# Altium PCB SVEC.pcbdoc (part 4 of 18)
Units mil, origin at the board's own origin, x right, y up, seen from the top; angles counter-clockwise.
Board outline 6349.25 x 9237.04 mil, 10 copper layers (Top Layer, L2 GND, L3, L4 PWR3.3, L5, L6, L7 GND, L8, L9 PWR, Bottom Layer), stack 58.268 mil thick; 906 components, 904 nets, 4753 pads, 3116 vias.
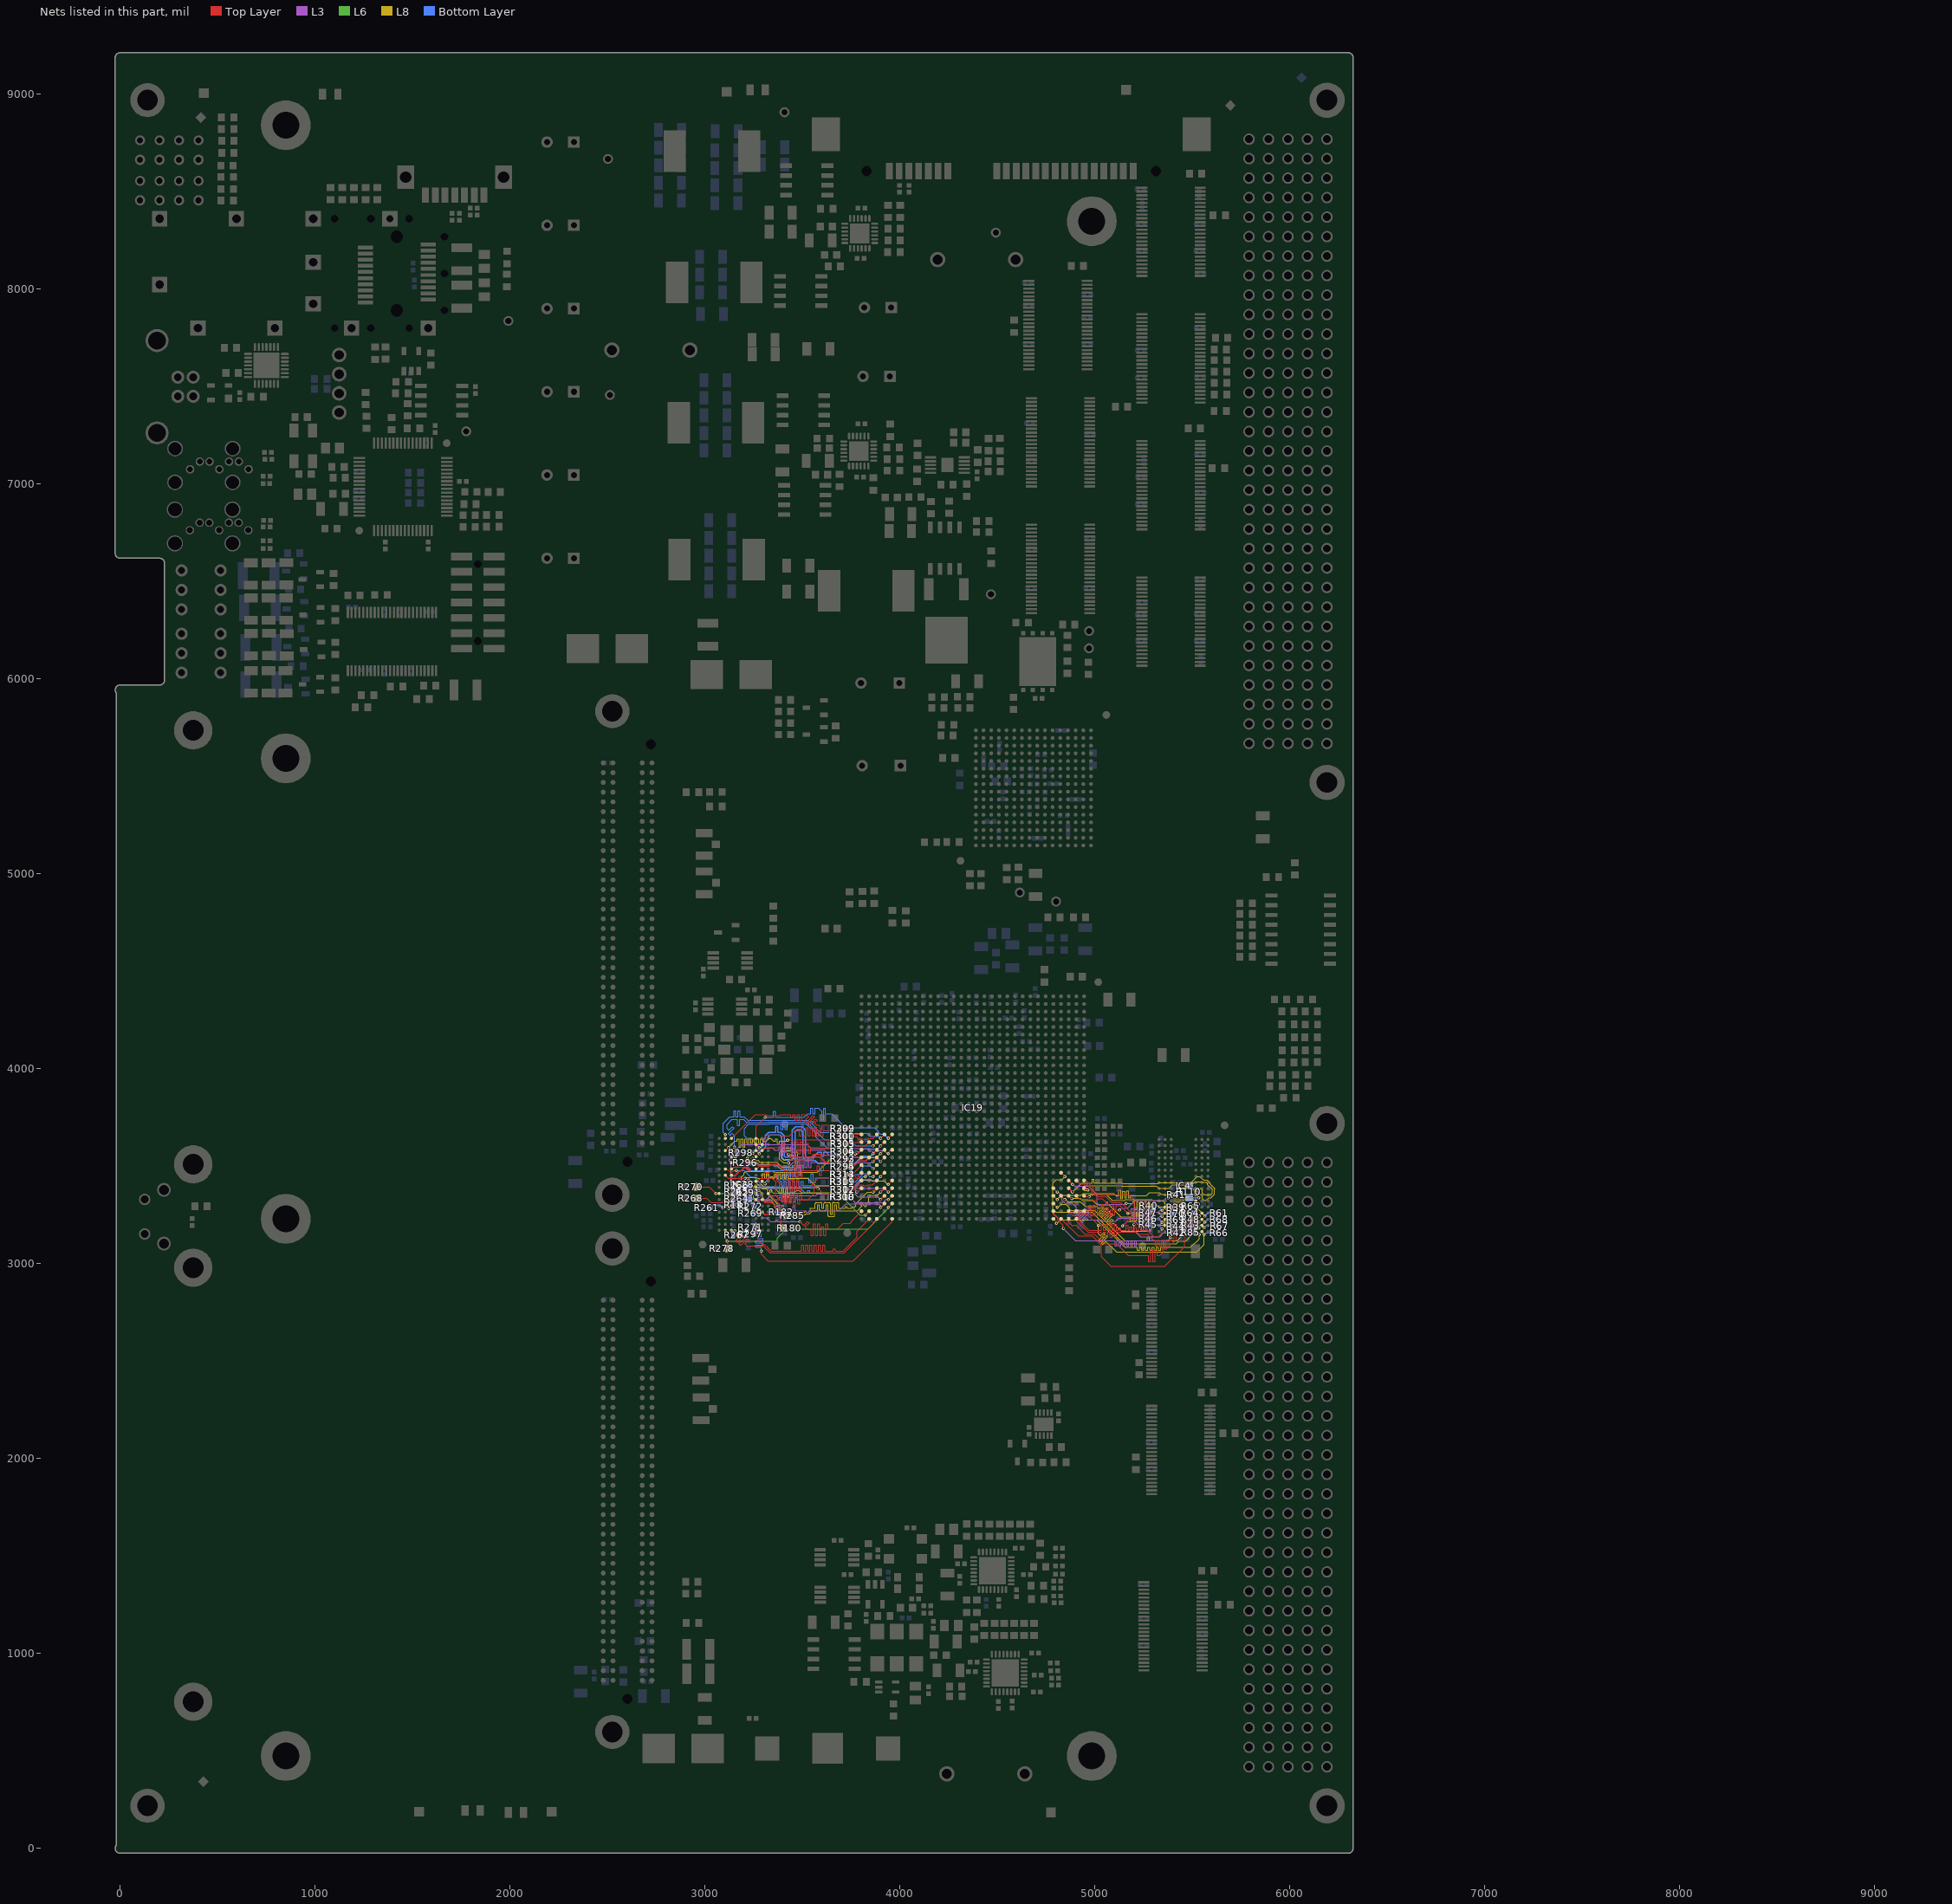
[diagram p12: the nets of this part, all layers, seen from the top]

## Via types
v1: diameter 15.75, hole 7.87, Top Layer to Bottom Layer, tented both sides, 2844 vias
v2: diameter 31.5, hole 15.75, Top Layer to Bottom Layer, tented both sides, 224 vias
v3: diameter 19.68, hole 7.87, Top Layer to Bottom Layer, tented both sides, 31 vias
v4: diameter 15.75, hole 7.87, Top Layer to Bottom Layer, 17 vias

## Nets (pads, with @x,y where several pads share a name; then routed paths per layer and width w, separated by ;. In a path a pad name is that pad's centre, name@x,y a point inside that pad or via, vN(x,y) a via of type N, cw(c..) or ccw(c..) an arc to the next point about the centre after c; other vN are vias at no path point) (continued)
DDR_2_A10: IC19.F26 IC28.L7 R272.1 | length 1127.3
  Top Layer w5: v1(3940.48,3406.81) IC19.F26@3960.17,3426.49
  Top Layer w6: IC28.L7@3261.55,3327.77 3262.29,3327.77 v1@3275.55,3314.51
  L8 w4: v1(3275.55,3312.51) 3249.55,3338.51 3249.55,3393.51 3260.55,3404.51 3290.55,3404.51 3301.74,3393.32 3350.74,3393.32 3380.55,3363.51 3392.55,3363.51 3392.55,3393.51 3402.55,3393.51 3402.55,3344.5 3412.55,3344.5 3412.55,3393.51 3422.55,3393.51 3422.55,3344.5 3432.55,3344.5 3432.55,3363.51 3457.43,3363.51 3470.3,3376.38 3481.8,3376.38 3494.67,3363.51 3734.55,3363.51 3795.55,3424.51 3796.55,3424.51 3803.55,3431.51 3850.55,3431.51 3857.55,3424.51 3917.55,3424.51 3935.26,3406.8 v1(3940.48,3406.81)
  Bottom Layer w6: R272.1@3253.41,3291.36 v1@3275.05,3313.01
DDR_2_A11: IC19.A26 IC28.R7 R271.1 | length 1158.6
  Top Layer w5: v1(3288.55,3064.51) 3288.55,3048.62 3323.04,3014.13 3759.34,3014.13 3960.17,3214.96 IC19.A26@3960.17,3229.64
  Top Layer w6: IC28.R7@3261.55,3201.78 v1(3274.55,3188.77)
  Bottom Layer w5: v1@3272.29,3186.51 3288.93,3169.86 3288.93,3140.01 3271.98,3140.01 3271.98,3129.01 3298.93,3129.01 3298.93,3118.01 3260.33,3118.01 3260.33,3107.01 3298.93,3107.01 3298.93,3096.01 3260.33,3096.01 3260.33,3085.01 3288.93,3085.01 3288.93,3064.88 v1(3288.55,3064.51)
  Bottom Layer w6: R271.1@3252.27,3186.51 3272.29,3186.51 v1(3274.55,3188.77)
DDR_2_A12: IC19.B30 IC28.N7 R269.1 | length 1166
  Top Layer w5: v1@3488.55,3215.51 v1(3487.55,3214.51) 3506.44,3195.62 3527.16,3216.33 3534.94,3208.56 3514.22,3187.84 3527.55,3174.51 3544.05,3174.51 3544.05,3145.21 3555.05,3145.21 3555.05,3203.81 3566.05,3203.81 3566.05,3145.21 3577.05,3145.21 3577.05,3203.81 3588.05,3203.81 3588.05,3145.21 3599.05,3145.21 3599.05,3189.43 3610.05,3189.43 3610.05,3145.21 3621.05,3145.21 3621.05,3203.81 3632.05,3203.81 3632.05,3174.51 3677.13,3174.51 3709.23,3206.6 3743.65,3206.6 3750.87,3213.82 3750.87,3217.19 IC19.B30@3802.69,3269.01
  Top Layer w6: IC28.N7@3261.55,3264.77 3263.29,3264.77 v1@3273.55,3254.51
  L3 w4: v1@3273.55,3254.51 v1(3277.55,3250.51) 3281.44,3250.51 3296.06,3235.88 3313.92,3235.88 3335.3,3214.51 3361.55,3214.51 3361.55,3222.51 3371.55,3222.51 3371.55,3214.51 v1(3487.55,3214.51)
  Bottom Layer w6: R269.1@3247.27,3250.51 3251.27,3250.51 v1(3277.55,3250.51)
DDR_2_A13: IC19.A28 IC28.T3 R267.1 | length 1150
  Top Layer w5: IC28.T3@3136.3,3171.02 IC28.T3@3135.56,3170.29 3152.92,3170.29 3153.55,3169.65 v1(3153.55,3168.51) ; v1@3158.04,3165.16 3158.04,3147.81 3165.84,3140.01 3185.09,3159.26 3192.87,3151.48 3158.8,3117.42 3166.58,3109.64 3200.64,3143.71 3208.42,3135.93 3174.36,3101.86 3182.13,3094.08 3216.2,3128.15 3223.98,3120.37 3204.73,3101.12 3215.97,3089.88 3299.06,3089.88 3313.93,3075.02 3313.93,3074.5 3333.11,3055.32 3712.93,3055.32 3861.74,3204.13 3861.74,3209.95 IC19.A28@3881.43,3229.64
  Top Layer w6: IC28.T3@3135.56,3169.05 IC28.T3@3135.56,3170.29
  Bottom Layer w5: R267.1@3145.84,3145.51 3145.84,3160.79 v1(3153.55,3168.51)
DDR_2_A14: IC19.A29 IC28.T7 R297.1 | length 1140
  Top Layer w5: v1(3273.55,3159.51) 3273.55,3120.51 3294.18,3099.88 3303.21,3099.88 3323.93,3079.16 3323.93,3078.64 3337.25,3065.32 3495.05,3065.32 3495.05,3095.32 3506.05,3095.32 3506.05,3065.32 3517.05,3065.32 3517.05,3095.32 3528.05,3095.32 3528.05,3065.32 3539.05,3065.32 3539.05,3095.32 3550.05,3095.32 3550.05,3065.32 3561.05,3065.32 3561.05,3095.32 3572.05,3095.32 3572.05,3065.32 3583.05,3065.32 3583.05,3095.32 3594.05,3095.32 3594.05,3065.32 3605.05,3065.32 3605.05,3095.32 3616.05,3095.32 3616.05,3065.32 3659.05,3065.32 3659.05,3076.12 3670.05,3076.12 3670.05,3065.32 3708.79,3065.32 3779.65,3136.18 3779.65,3167.23 IC19.A29@3842.06,3229.64
  Top Layer w6: IC28.T7@3261.55,3170.29 3262.77,3170.29 v1(3273.55,3159.51)
  Bottom Layer w6: R297.1@3252.27,3150.51 3256.55,3150.51 3265.55,3159.51 v1(3273.55,3159.51)
DDR_2_BA0: IC19.D27 IC28.M2 R261.1 | length 1171.2
  Top Layer w4: v1(3901.11,3328.07) IC19.D27@3920.8,3347.75
  Top Layer w6: v1(3091.55,3285.51) 3102.32,3296.27 IC28.M2@3104.07,3296.27 ; 3907.55,3335.51 3919.8,3347.75 IC19.D27@3920.8,3347.75
  L3 w4: v1(3091.55,3285.51) 3104.18,3298.13 3134.18,3298.13 3194.93,3358.88 3211.55,3358.88 3211.55,3382.72 3221.55,3382.72 3221.55,3329.54 3231.55,3329.54 3231.55,3382.72 3241.55,3382.72 3241.55,3358.88 3280.8,3358.88 3294.81,3344.87 3294.81,3340.03 3305.2,3329.64 3316.69,3329.64 3335.68,3348.63 3568.06,3348.63 3576.81,3357.38 3768.99,3357.38 3784.43,3341.94 3887.24,3341.94 v1(3901.11,3328.07)
  Bottom Layer w6: R261.1@3027.27,3286.51 3040.27,3299.51 3077.55,3299.51 v1(3091.55,3285.51)
DDR_2_BA1: IC19.C27 IC28.N8 R182.1 | length 1150.7
  Top Layer w6: IC28.N8@3293.04,3264.77 3293.29,3264.77 3306.55,3251.51 3306.93,3251.88 3316.4,3251.88 3318.38,3249.9 3339.95,3249.9 3345.55,3255.51 3345.55,3254.51 v1(3349.23,3258.25) v1(3349.23,3258.25) ; 3909.55,3292.51 3908.55,3292.51 3908.55,3296.14 IC19.C27@3920.8,3308.38
  L3 w4: v1@3345.55,3255.51 3345.55,3254.51 v1(3349.23,3258.25) ; v1(3349.23,3258.25) v1(3349.23,3258.25) ; v1@3905.74,3292.51 3905.33,3292.91 3891.86,3306.38 3874.06,3306.38 3873.87,3306.19 3765.32,3306.19 3765.13,3306.38 3721.68,3306.38 3687.18,3271.88 3602.19,3271.88 3600.19,3269.88 3536.68,3269.88 3531.43,3264.63 3519.94,3264.63 3514.69,3269.88 3461.55,3269.88 3461.55,3294.21 3451.55,3294.21 3451.55,3240.86 3441.55,3240.86 3441.55,3279.79 3431.55,3279.79 3431.55,3240.86 3421.55,3240.86 3421.55,3282.19 3411.55,3282.19 3411.55,3240.86 3401.55,3240.86 3401.55,3298.9 3391.55,3298.9 3391.55,3240.86 3381.55,3240.86 3381.55,3298.9 3371.55,3298.9 3371.55,3269.88 3360.93,3269.88 v1(3349.23,3258.25) ; v1(3349.23,3258.25) v1(3349.23,3258.25)
  Bottom Layer w6: v1(3349.23,3258.25) v1(3349.23,3258.25) ; R182.1@3373.84,3263.51 3354.55,3263.51 v1(3349.23,3258.25) ; v1(3349.23,3258.25) v1(3349.23,3258.25)
  other v1: 3901.11,3288.7
DDR_2_BA2: IC19.D26 IC28.M3 R181.1 | length 1137.2
  Top Layer w5: v1(3940.48,3328.07) IC19.D26@3960.17,3347.75
  Top Layer w6: v1(3121.55,3282.51) 3121.8,3282.51 IC28.M3@3135.56,3296.27
  L3 w4: v1(3121.55,3282.51) 3132.7,3282.51 3157.7,3307.51 3240.55,3307.51 3261.18,3328.13 3295.39,3328.13 3301.88,3321.64 3320,3321.64 3326.5,3328.13 3382.55,3328.13 3382.55,3340.63 3392.55,3340.63 3392.55,3318.38 3402.55,3318.38 3402.55,3340.63 3412.55,3340.63 3412.55,3318.38 3422.55,3318.38 3422.55,3340.63 3432.55,3340.63 3432.55,3318.38 3442.55,3318.38 3442.55,3340.63 3452.55,3340.63 3452.55,3318.38 3462.55,3318.38 3462.55,3340.63 3472.55,3340.63 3472.55,3328.13 3754.69,3328.13 3768.63,3314.19 3870.36,3314.19 3870.55,3314.38 3895.18,3314.38 3895.37,3314.19 3912.82,3314.19 3926.69,3328.06 v1(3940.48,3328.07)
  Bottom Layer w6: v1(3121.55,3282.51) 3125.55,3282.51 3143.55,3300.51 R181.1@3145.84,3300.51
DDR_2_CAS_N: IC19.K27 IC28.K3 R265.1 | length 1150
  Top Layer w5: v1(3901.11,3564.29) IC19.K27@3920.8,3583.97
  Top Layer w6: v1(3120.55,3345.51) 3134.31,3359.26 IC28.K3@3135.56,3359.26
  L8 w4: v1(3120.55,3345.51) 3150.09,3375.04 3130.77,3394.36 3137.84,3401.43 3176.48,3362.79 3183.55,3369.87 3144.91,3408.5 3151.98,3415.57 3171.3,3396.25 3187.55,3412.51 3187.55,3443.89 3191.27,3447.6 3191.34,3447.6 3199.46,3455.72 3199.46,3464.41 3208.43,3473.38 3348.3,3473.38 3352.17,3469.51 3576.55,3469.51 3656.93,3549.88 3672.51,3549.88 3677.88,3544.51 3881.33,3544.51 v1(3901.11,3564.29)
  Bottom Layer w6: v1(3120.55,3345.51) 3121.84,3345.51 R265.1@3145.84,3369.51
DDR_2_CK_N: IC19.E28 IC28.K7 R291.2 | length 1148.7
  Top Layer w6: IC28.K7@3261.55,3359.26 3261.55,3358.51 v1(3276.55,3343.51) ; 3869.55,3370.51 3881.43,3382.38 IC19.E28@3881.43,3387.12
  L8 w4: v1(3276.55,3343.51) 3258.18,3361.88 3258.18,3383.12 3268.94,3393.88 3284.16,3393.88 3294.24,3383.81 3294.81,3384.38 3302.11,3384.38 3303.04,3385.32 3314.54,3385.32 3322.66,3377.19 3322.66,3355.38 3371.05,3307 3371.05,3294.01 3402.43,3262.63 3508.68,3262.63 3515.31,3269.26 3519.94,3264.63 3531.43,3264.63 3539.56,3272.76 3539.56,3283.51 3565.55,3283.51 3565.55,3307.51 cw(c3571.55,3307.51) 3571.55,3313.51 3593.55,3313.51 cw(c3593.55,3307.51) 3599.55,3307.51 3599.55,3283.51 3609.55,3283.51 3609.55,3307.51 cw(c3615.55,3307.51) 3615.55,3313.51 3637.55,3313.51 cw(c3637.55,3307.51) 3643.55,3307.51 3643.55,3253.51 3653.55,3253.51 3653.55,3307.51 cw(c3659.55,3307.51) 3659.55,3313.51 3681.55,3313.51 cw(c3681.55,3307.51) 3687.55,3307.51 3687.55,3283.51 3719.55,3283.51 3719.55,3293.55 3729.55,3293.55 3729.55,3283.51 3750.59,3283.51 3761.2,3294.11 3766.86,3288.46 3773.93,3295.53 3768.27,3301.18 3834.52,3367.44 v1(3861.74,3367.44)
  Bottom Layer w6: R291.2@3221.55,3332.01 3265.06,3332.01 v1(3276.55,3343.51)
DDR_2_CK_P: IC19.E27 IC28.J7 R291.1 | length 1145.4
  Top Layer w6: IC28.J7@3261.55,3390.76 3261.55,3388.51 v1@3274.55,3375.51 ; v1(3901.11,3367.44) IC19.E27@3920.8,3387.12
  L8 w4: v1(3276.55,3375.51) 3286.68,3365.38 3286.68,3364.76 3294.81,3356.63 3295.43,3356.63 3295.57,3356.49 3295.57,3351.43 3295.71,3351.29 ; 3295.68,3351.25 3295.68,3339.76 3296.2,3339.24 3295.57,3338.6 3295.57,3337.15 3309.21,3323.51 3337.57,3323.51 3359.05,3302.03 3359.05,3289.04 3397.46,3250.63 3513.65,3250.63 3517.65,3254.63 3535.58,3254.63 3549.56,3268.62 3549.56,3271.51 3571.55,3271.51 ccw(c3571.55,3277.51) 3577.55,3277.51 3577.55,3301.51 3587.55,3301.51 3587.55,3277.51 ccw(c3593.55,3277.51) 3593.55,3271.51 3615.55,3271.51 ccw(c3615.55,3277.51) 3621.55,3277.51 3621.55,3301.51 3631.55,3301.51 3631.55,3247.51 ccw(c3637.55,3247.51) 3637.55,3241.51 3659.55,3241.51 ccw(c3659.55,3247.51) 3665.55,3247.51 3665.55,3301.51 3675.55,3301.51 3675.55,3277.51 ccw(c3681.55,3277.51) 3681.55,3271.51 3781.52,3271.51 3804.36,3294.34 3793.32,3305.39 3800.39,3312.46 3821.44,3291.4 3828.51,3298.48 3823.02,3303.97 3839.28,3320.23 3839.28,3341.64 3849.2,3351.56 3885.24,3351.56 v1(3901.11,3367.44)
  Bottom Layer w6: R291.1@3221.55,3395 3241.05,3375.51 v1(3276.55,3375.51)
DDR_2_CKE: IC19.B29 IC28.K9 R285.2 | length 754.9
  Top Layer w5: IC28.K9@3324.54,3359.26 v1(3337.78,3372.51) 3325.69,3360.41 3326.92,3360.41 3402.69,3284.64 3402.69,3261.88 R285.2@3418.06,3246.51 ; v1(3822.37,3249.33) IC19.B29@3842.06,3269.01
  L3 w4: v1(3337.78,3372.51) 3339.55,3374.28 v1@3339.55,3374.51
  L6 w4: v1(3337.78,3372.51) 3349.16,3361.13 3682.93,3361.13 3794.74,3249.32 v1(3822.37,3249.33)
DDR_2_CS_N: IC28.L2 R268.1 | length 160.1
  Top Layer w5: R268.1@2959.05,3335.51 3009.55,3335.51 3031.67,3313.39 3089.69,3313.39 IC28.L2@3104.07,3327.77
DDR_2_DQ0: IC19.H28 IC28.E3 R314.1 | length 1128.3
  Top Layer w5: IC28.E3@3135.56,3516.74 3149.79,3516.74 v1(3157.55,3524.51) ; v1(3861.74,3485.55) IC19.H28@3881.43,3505.23
  Bottom Layer w5: v1(3157.55,3524.51) 3169.53,3512.53 3169.53,3502.59 3173.92,3498.2 3211.01,3498.2 3231.7,3477.51 3406.05,3477.51 3406.05,3504.01 3417.05,3504.01 3417.05,3477.51 3428.05,3477.51 3428.05,3498.64 3439.05,3498.64 3439.05,3477.51 3450.05,3477.51 3450.05,3504.01 3461.05,3504.01 3461.05,3477.51 3472.05,3477.51 3472.05,3504.01 3483.05,3504.01 3483.05,3452.51 3494.05,3452.51 3494.05,3504.01 3505.05,3504.01 3505.05,3477.51 3671.61,3477.51 3671.92,3477.82 3701.76,3477.82 3721.07,3458.51 3723.4,3458.51 3789.55,3458.51 3807,3475.95 3807,3491.91 3816,3500.92 3846.37,3500.92 v1(3861.74,3485.55)
DDR_2_DQ1: IC19.H30 IC28.F7 R313.1 | length 1131.3
  Top Layer w5: IC28.F7@3261.55,3485.25 3276.92,3500.62 3329.34,3500.62 3336.6,3507.88 3376.49,3507.88 3406.55,3477.82 3424.05,3477.82 3424.05,3447.82 3435.05,3447.82 3435.05,3494.01 3445.69,3494.01 3446.05,3493.64 3446.05,3447.82 3457.05,3447.82 3457.05,3507.32 3468.05,3507.32 3468.05,3447.82 3479.05,3447.82 3479.05,3507.32 3490.05,3507.32 3490.05,3447.82 3501.05,3447.82 3501.05,3477.82 3575.05,3477.82 3575.05,3502.65 3586.05,3502.65 3586.05,3452.3 3597.05,3452.3 3597.05,3502.65 3608.05,3502.65 3608.05,3477.82 3704.51,3477.82 3722.27,3460.06 R313.1@3722.27,3459.51 ; R313.1@3722.27,3458.51 3722.27,3458.64 R313.1@3722.27,3459.51 ; IC19.H30@3802.69,3505.23 3756.96,3459.51 3724.4,3459.51 R313.1@3722.27,3459.51
DDR_2_DQ2: IC19.G29 IC28.F2 R312.1 | length 1146.6
  Top Layer w5: IC28.F2@3104.07,3485.25 3113.82,3485.25 3129.19,3469.87 3141.93,3469.87 3149.56,3477.51 3160.55,3477.51 3161.55,3477.51 v1(3160.55,3478.51) ; v1(3822.37,3446.18) IC19.G29@3842.06,3465.86
  Bottom Layer w5: v1(3160.55,3478.51) 3161.55,3477.51 3200.23,3477.51 3234.6,3443.13 3251.93,3443.13 3293.18,3401.88 3293.18,3401.14 3299.5,3394.82 3327.04,3394.82 3328.1,3395.88 3384.05,3395.88 3384.05,3422.15 3395.05,3422.15 3395.05,3395.88 3406.05,3395.88 3406.05,3422.15 3417.05,3422.15 3417.05,3395.88 3428.05,3395.88 3428.05,3422.15 3439.05,3422.15 3439.05,3395.88 3450.05,3395.88 3450.05,3422.15 3461.05,3422.15 3461.05,3395.88 3472.05,3395.88 3472.05,3422.15 3483.05,3422.15 3483.05,3395.88 3494.05,3395.88 3494.05,3422.15 3505.05,3422.15 3505.05,3395.88 3542.75,3395.88 3546.75,3399.88 3585.51,3399.88 3586.59,3398.8 3656.58,3398.8 3657.6,3399.82 3704.51,3399.82 3723.82,3380.51 3724.4,3380.51 3745.83,3380.51 3811.49,3446.17 v1(3822.37,3446.18)
DDR_2_DQ3: IC19.G30 IC28.F8 R311.1 | length 1151.5
  Top Layer w5: IC28.F8@3293.04,3485.25 3309.16,3469.12 3331.84,3469.12 3336.6,3473.88 3356.18,3473.88 3369.55,3460.51 3369.55,3426.51 3393.55,3402.51 3405.05,3402.51 3405.05,3432.46 3416.05,3432.46 3416.05,3372.55 3427.05,3372.55 3427.05,3432.46 3438.05,3432.46 3438.05,3372.55 3449.05,3372.55 3449.05,3432.46 3460.05,3432.46 3460.05,3372.55 3471.05,3372.55 3471.05,3432.46 3482.05,3432.46 3482.05,3372.55 3493.05,3372.55 3493.05,3402.51 3546.55,3402.51 3582.86,3438.82 3705.51,3438.82 3722.27,3422.06 3722.27,3419.51 R311.1@3723.4,3419.51 3756.33,3419.51 3769.5,3432.67 3756.18,3445.99 3763.95,3453.77 3777.28,3440.45 3785.41,3432.32 3793.19,3440.1 3785.05,3448.23 IC19.G30@3802.69,3465.86
DDR_2_DQ4: IC19.G27 IC28.H3 R310.1 | length 1150
  Top Layer w5: IC28.H3@3136.68,3421.13 3147.68,3421.13 ; 3146.56,3422.25 3147.68,3421.13 ; v1(3225.55,3427.51) 3219.18,3421.13 3147.68,3421.13 ; v1(3901.11,3446.18) IC19.G27@3920.8,3465.86
  Bottom Layer w5: v1@3223.55,3423.51 3225.55,3423.51 3254.55,3423.51 3293.93,3384.13 3301.15,3384.13 3302.84,3385.82 3330.76,3385.82 3331.83,3386.88 3382.05,3386.88 3382.05,3356.88 3393.05,3356.88 3393.05,3386.88 3404.05,3386.88 3404.05,3356.88 3415.05,3356.88 3415.05,3386.88 3426.05,3386.88 3426.05,3356.88 3437.05,3356.88 3437.05,3386.88 3448.05,3386.88 3448.05,3356.88 3459.05,3356.88 3459.05,3386.88 3488.18,3386.88 3513.86,3361.2 3527.19,3361.2 3527.19,3375.35 3538.19,3375.35 3538.19,3361.2 3702.58,3361.2 3722.27,3341.51 3723.55,3341.51 3724.05,3342 3763.18,3381.13 3763.18,3385.13 3806.06,3428.01 3830.64,3428.01 3832.15,3426.51 3881.44,3426.51 v1(3901.11,3446.18)
DDR_2_DQ5: IC19.G28 IC28.H8 R309.1 | length 1150
  Top Layer w5: IC28.H8@3293.04,3422.25 3293.81,3422.25 3307.55,3408.51 3308.55,3407.51 v1(3308.55,3409.51) ; v1(3861.74,3446.18) IC19.G28@3881.43,3465.86
  Bottom Layer w5: v1(3308.55,3409.51) 3308.55,3417.29 3336.14,3444.88 3364.05,3444.88 3364.05,3468.51 3375.05,3468.51 3375.05,3431.15 3386.05,3431.15 3386.05,3468.51 3397.05,3468.51 3397.05,3431.15 3408.05,3431.15 3408.05,3468.51 3419.05,3468.51 3419.05,3431.15 3430.05,3431.15 3430.05,3468.51 3441.05,3468.51 3441.05,3431.15 3452.05,3431.15 3452.05,3468.51 3463.05,3468.51 3463.05,3444.88 3474.46,3444.88 3480.53,3438.82 3533.05,3438.82 3533.05,3414.41 3544.05,3414.41 3544.05,3462.91 3555.05,3462.91 3555.05,3414.47 3566.05,3414.47 3566.05,3438.82 3705.09,3438.82 R309.1@3724.4,3419.51 3772.1,3419.51 3814.14,3461.55 3828.74,3461.55 3844.11,3446.17 v1(3861.74,3446.18)
DDR_2_DQ6: IC19.F28 IC28.G2 R308.1 | length 1143.3
  Top Layer w5: IC28.G2@3104.07,3453.75 3120.19,3437.63 v1@3201.43,3437.63 ; v1(3579.55,3385.51) 3604.24,3360.82 3701.76,3360.82 ; 3702.96,3360.82 R308.1@3722.27,3341.51 ; R308.1@3721.07,3341.51 R308.1@3722.27,3341.51 ; IC19.F28@3881.43,3426.49 3859.4,3404.46 3835.84,3404.46 3830.64,3399.27 3813.65,3399.27 3808.46,3404.46 3790.51,3404.46 3772.93,3386.88 3772.19,3386.88 3763.18,3377.87 3759.92,3377.87 3723.55,3341.51 R308.1@3722.27,3341.51
  L8 w4: v1(3206.35,3437.64) 3211.59,3442.88 3264.18,3442.88 3269.55,3437.51 3296.55,3437.51 3296.55,3462.13 3306.55,3462.13 3306.55,3437.51 3316.55,3437.51 3316.55,3462.13 3326.55,3462.13 3326.55,3437.51 3336.55,3437.51 3336.55,3445.51 3346.55,3445.51 3346.55,3437.51 3356.55,3437.51 3356.55,3458.25 3366.55,3458.25 3366.55,3437.51 3376.55,3437.51 3376.55,3458.25 3386.55,3458.25 3386.55,3437.51 3396.55,3437.51 3396.55,3458.25 3406.55,3458.25 3406.55,3437.51 3416.55,3437.51 3416.55,3458.25 3426.55,3458.25 3426.55,3437.51 3527.55,3437.51 v1(3579.55,3385.51)
DDR_2_DQ7: IC19.F30 IC28.H7 R307.1 | length 1151.5
  Top Layer w5: IC28.H7@3261.55,3422.25 3271.3,3422.25 3285.67,3436.63 3345.76,3436.63 3363.93,3418.46 3363.93,3406.55 3361.55,3404.18 3361.55,3349.51 3383.55,3327.51 3399.05,3327.51 3399.05,3354.63 3410.05,3354.63 3410.05,3308.97 3421.05,3308.97 3421.05,3354.63 3432.05,3354.63 3432.05,3311.54 3443.05,3311.54 3443.05,3354.63 3454.05,3354.63 3454.05,3300.38 3465.05,3300.38 3465.05,3354.63 3476.05,3354.63 3476.05,3305.76 3487.05,3305.76 3487.05,3354.63 3498.05,3354.63 3498.05,3327.51 3527.55,3327.51 3559.55,3359.51 3559.55,3391.82 3567.55,3399.82 3573.54,3399.82 3573.6,3399.88 3705.45,3399.88 3722.27,3383.06 3722.27,3380.64 3722.27,3380.51 3723.4,3381.64 3728.64,3386.87 3758.04,3386.87 3797.65,3426.49 IC19.F30@3802.69,3426.49
DDR_2_DQ8: IC19.L27 IC28.D7 R306.1 | length 1139.1
  Top Layer w5: v1(3244.55,3565.51) 3244.55,3563.51 3259.82,3548.24 IC28.D7@3261.55,3548.24 ; v1(3901.11,3603.66) IC19.L27@3920.8,3623.34
  Bottom Layer w5: v1(3244.55,3565.51) 3262.55,3583.51 3262.55,3603.51 3256.55,3609.51 3256.55,3621.82 3234.87,3643.51 3213.55,3643.51 3201.55,3655.51 3201.55,3693.51 3223.55,3715.51 3326.32,3715.51 3328.82,3718.01 3390.05,3718.01 3390.05,3688.01 3401.05,3688.01 3401.05,3718.01 3412.05,3718.01 3412.05,3688.01 3423.05,3688.01 3423.05,3718.01 3518.29,3718.01 3566.13,3670.16 3570.05,3666.23 3570.05,3649.32 3624.55,3594.82 3703.96,3594.82 3723.27,3575.51 3724.4,3576.64 3725.64,3577.88 3777.92,3577.88 3780.3,3575.51 3798.55,3575.51 3811.93,3588.88 3854.77,3588.88 3855.37,3588.28 3885.74,3588.28 v1(3901.11,3603.66)
DDR_2_DQ9: IC19.L28 IC28.C3 R305.1 | length 1143.9
  Top Layer w5: IC28.C3@3135.56,3579.73 3135.56,3581.51 v1(3150.55,3596.51) ; v1(3861.74,3603.66) IC19.L28@3881.43,3623.34
  Bottom Layer w5: v1(3150.55,3596.51) 3150.55,3654.51 3137.5,3667.56 3128.34,3658.4 3120.56,3666.18 3129.72,3675.34 3149.03,3694.65 3141.25,3702.43 3121.94,3683.12 3112.55,3692.51 3112.55,3713.51 3138.55,3739.51 3167.05,3739.51 3167.05,3709.51 3178.05,3709.51 3178.05,3739.51 3198.55,3739.51 3213.55,3724.51 3322.59,3724.51 3325.09,3727.01 3522.02,3727.01 3575.13,3673.89 3579.05,3669.96 3579.05,3667.95 3612.5,3634.51 3640.61,3634.51 3640.98,3634.88 3672.24,3634.88 3672.92,3634.2 3704.86,3634.2 3724.55,3614.51 3725.4,3614.51 3761.69,3614.51 3772.54,3603.66 v1(3861.74,3603.66)
DDR_2_DQ10: IC19.L29 IC28.C8 R304.1 | length 1148.3
  Top Layer w5: IC28.C8@3293.04,3579.73 3308.42,3595.11 3401.05,3595.11 3401.05,3624.89 3412.05,3624.89 3412.05,3574.16 3420.88,3574.16 3421.6,3574.88 3433.51,3574.88 3435.06,3573.32 3445.05,3573.32 3445.05,3625.11 3456.05,3625.11 3456.05,3565.11 3467.05,3565.11 3467.05,3625.11 3478.05,3625.11 3478.05,3565.11 3489.05,3565.11 3489.05,3625.11 3500.05,3625.11 3500.05,3565.11 3511.05,3565.11 3511.05,3595.11 3512.55,3595.11 3512.55,3618.17 3532.05,3618.17 3532.05,3566.95 3543.05,3566.95 3543.05,3595.11 3584.22,3595.11 3586.53,3592.8 3652.58,3592.8 3654.98,3595.2 3708.13,3595.2 3724.55,3578.78 3749.42,3603.65 3822.37,3603.65 IC19.L29@3842.06,3623.34
DDR_2_DQ11: IC19.L30 IC28.C2 R303.1 | length 1150.9
  Top Layer w5: IC28.C2@3104.07,3579.73 3104.78,3579.73 v1(3119.55,3594.51) ; v1@3423.86,3633.82 3424.93,3634.88 3701.69,3634.88 3722.07,3614.51 3723.27,3614.51 3723.4,3614.64 3732.1,3623.34 3757.66,3623.34 3758.73,3622.27 3801.61,3622.27 IC19.L30@3802.69,3623.34
  L8 w4: v1(3119.55,3594.51) 3153.55,3628.51 3165.55,3628.51 3165.55,3639.63 3175.55,3639.63 3175.55,3598.51 3185.55,3598.51 3185.55,3639.63 3195.55,3639.63 3195.55,3598.51 3205.55,3598.51 3205.55,3639.63 3215.55,3639.63 3215.55,3616.92 3225.55,3616.92 3225.55,3639.63 3235.55,3639.63 3235.55,3617.5 3245.55,3617.5 3245.55,3639.63 3255.55,3639.63 3255.55,3617.5 3265.55,3617.5 3265.55,3639.63 3275.55,3639.63 3275.55,3617.5 3285.55,3617.5 3285.55,3639.63 3295.55,3639.63 3295.55,3628.51 3313.93,3628.51 3326.81,3641.38 3338.3,3641.38 3351.17,3628.51 3361.55,3628.51 3361.55,3638.88 3371.55,3638.88 3371.55,3618.26 3381.55,3618.26 3381.55,3628.51 3418.55,3628.51 v1(3423.55,3633.51)